# KiCad board Boston-keyboard-V081JHA.kicad_pcb (continued)
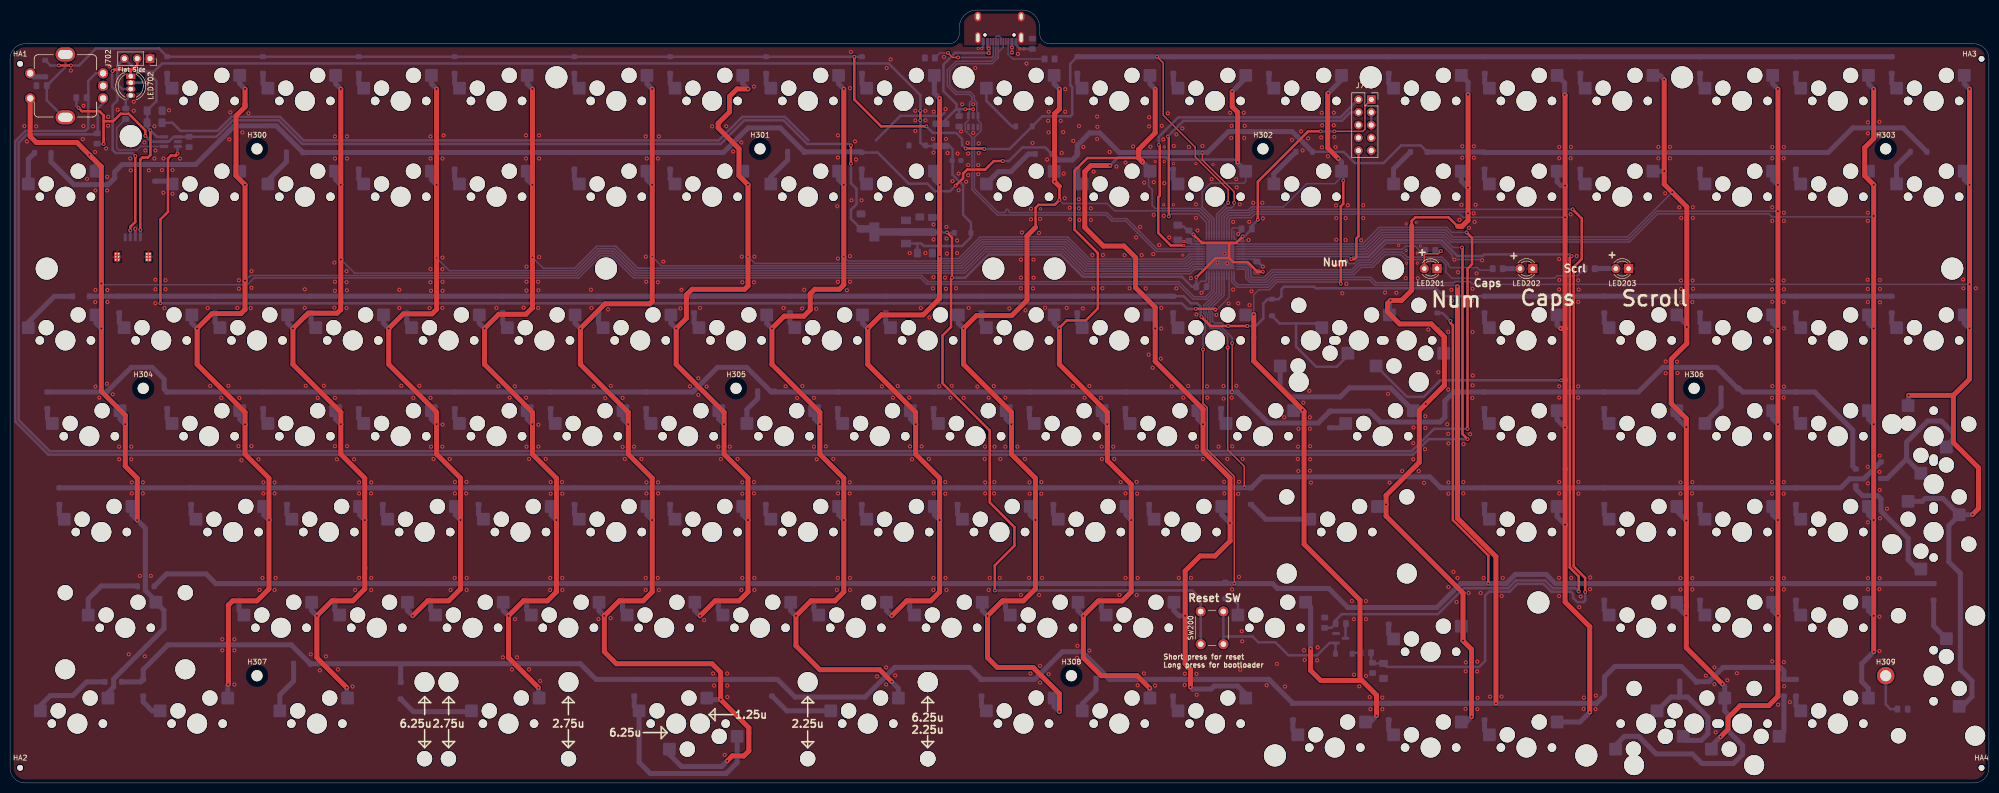
[diagram p0: board, top side]
## Footprints (pads in the part's own frame, mm; a bottom-side part is the same pattern mirrored in y, then rotated) (continued)
  round 3.988 hole 3.988 unplated: (-11.938,8.255) (0,0) (11.938,8.255)
  round 1.702 hole 1.702 unplated: (-5.08,0) (5.08,0)
  rrect 2.54x2.54 smd: 1(-6.096,5.08) 2(7.366,2.54)
MX275HR
  round 3.048 hole 3.048 unplated: (-11.938,-6.985) (-2.54,5.08) (3.81,2.54) (11.938,-6.985)
  round 3.988 hole 3.988 unplated: (-11.938,8.255) (0,0) (11.938,8.255)
  round 1.702 hole 1.702 unplated: (-5.08,0) (5.08,0)
  rrect 2.54x2.54 smd: 1(-6.096,5.08) 2(7.366,2.54)
MX625HR
  round 3.048 hole 3.048 unplated: (-50.038,-6.985) (-2.54,5.08) (3.81,2.54) (50.038,-6.985)
  round 3.988 hole 3.988 unplated: (-50.038,8.255) (0,0) (50.038,8.255)
  round 1.702 hole 1.702 unplated: (-5.08,0) (5.08,0)
  rrect 2.54x2.54 smd: 1(-6.096,5.08) 2(7.366,2.54)
PinSocket_1x03_P2.54mm_Vertical
  rect 1.7x1.7 hole 1: 1(0,0)
  oval 1.7x1.7 hole 1: 2(0,-2.54) 3(0,-5.08)
PinSocket_2x05_P2.54mm_Vertical
  rect 1.7x1.7 hole 1: 1(0,0)
  oval 1.7x1.7 hole 1: 2(-2.54,0) 3(0,-2.54) 4(-2.54,-2.54) 5(0,-5.08) 6(-2.54,-5.08) 7(0,-7.62) 8(-2.54,-7.62) 9(0,-10.16) 10(-2.54,-10.16)
QFN-48-1EP_7x7mm_P0.5mm_EP5.6x5.6mm
  rrect 1.13x1.13 smd: (-2.1,-2.1) (-2.1,-0.7) (-2.1,0.7) (-2.1,2.1) (-0.7,-2.1) (-0.7,-0.7) (-0.7,0.7) (-0.7,2.1) (0.7,-2.1) (0.7,-0.7) (0.7,0.7) (0.7,2.1) (2.1,-2.1) (2.1,-0.7) (2.1,0.7) (2.1,2.1)
  rrect 0.875x0.25 smd: 1(-3.438,2.75) 2(-3.438,2.25) 3(-3.438,1.75) 4(-3.438,1.25) 5(-3.438,0.75) 6(-3.438,0.25) 7(-3.438,-0.25) 8(-3.438,-0.75) 9(-3.438,-1.25) 10(-3.438,-1.75) 11(-3.438,-2.25) 12(-3.438,-2.75) 25(3.438,-2.75) 26(3.438,-2.25) 27(3.438,-1.75) 28(3.438,-1.25) 29(3.438,-0.75) 30(3.438,-0.25) 31(3.438,0.25) 32(3.438,0.75) 33(3.438,1.25) 34(3.438,1.75) 35(3.438,2.25) 36(3.438,2.75)
  rrect 0.25x0.875 smd: 13(-2.75,-3.438) 14(-2.25,-3.438) 15(-1.75,-3.438) 16(-1.25,-3.438) 17(-0.75,-3.438) 18(-0.25,-3.438) 19(0.25,-3.438) 20(0.75,-3.438) 21(1.25,-3.438) 22(1.75,-3.438) 23(2.25,-3.438) 24(2.75,-3.438) 37(2.75,3.438) 38(2.25,3.438) 39(1.75,3.438) 40(1.25,3.438) 41(0.75,3.438) 42(0.25,3.438) 43(-0.25,3.438) 44(-0.75,3.438) 45(-1.25,3.438) 46(-1.75,3.438) 47(-2.25,3.438) 48(-2.75,3.438)
  rect 5.6x5.6 smd: 49(0,0)
R_0603_1608Metric_Pad1.05x0.95mm_HandSolder
  rrect 1.05x0.95 smd: 1(-0.875,0) 2(0.875,0)
R_0805_2012Metric_Pad1.15x1.40mm_HandSolder
  rrect 1.15x1.4 smd: 1(-1.025,0) 2(1.025,0)
R_0805_2012Metric_Pad1.20x1.40mm_HandSolder
  rrect 1.2x1.4 smd: 1(-1,0) 2(1,0)
SM04B-SRSS-TB(LF)(SN)_mounting-reliefs
  rect 0.6x1.55 smd: 1(-1.5,0.775) 2(-0.5,0.775) 3(0.5,0.775) 4(1.5,0.775)
  round 0.5 hole 0.3: MP(-3.4,-3.7) MP(-3.4,-3.1) MP(-3.4,-2.5) MP(-2.8,-3.7) MP(-2.8,-3.1) MP(-2.8,-2.5) MP(2.8,-3.7) MP(2.8,-3.1) MP(2.8,-2.5) MP(3.4,-3.7) MP(3.4,-3.1) MP(3.4,-2.5)
  rect 1.2x1.8 smd far side: MP(-3.1,-3.1) MP(3.1,-3.1)
  rect 1.2x1.8 smd: MP(-3.1,-3.1) MP(3.1,-3.1)
SOT-23
  rrect 1.475x0.6 smd: 1(-0.938,0.95) 2(-0.938,-0.95) 3(0.938,0)
SOT-23-6
  rrect 1.325x0.6 smd: 1(-1.137,0.95) 2(-1.137,0) 3(-1.137,-0.95) 4(1.137,-0.95) 5(1.137,0) 6(1.137,0.95)
SOT-23-6_Handsoldering
  rect 1.56x0.65 smd: 1(-1.35,0.95) 2(-1.35,0) 3(-1.35,-0.95) 4(1.35,-0.95) 5(1.35,0) 6(1.35,0.95)
SOT-223-3_TabPin2
  rect 2x1.5 smd: 1(-3.15,2.3) 2(-3.15,0) 3(-3.15,-2.3)
  rect 2x3.8 smd: 2(3.15,0)
SW_PUSH_6mm_H5mm
  round 2 hole 1.1: 1(0,0) 1(6.5,0) 2(0,-4.5) 2(6.5,-4.5)
ToolingHole_1.152mm_(for_JLCPCB_SMT)
  round 1.152 hole 1.152 unplated: (0,0)
TYPE-C-31-M-12
  round 0.65 hole 0.65 unplated: (-2.89,-2.051) (2.89,-2.051)
  rrect 0.6x1.45 smd: A1(-3.25,-0.725) A4(-2.45,-0.725) B1(3.25,-0.725) B4(2.45,-0.725)
  rrect 0.3x1.45 smd: A5(-1.25,-0.725) A6(-0.254,-0.725) A7(0.25,-0.725) A8(1.25,-0.725) B5(1.75,-0.725) B6(0.75,-0.725) B7(-0.75,-0.725) B8(-1.75,-0.725)
  oval 1.3x1.9 hole 0.6x1.2: S(-4.3,-5.7) S(4.3,-5.7)
  oval 1.1x2.2 hole 0.6x1.7: S(-4.3,-1.5) S(4.3,-1.5)

## Nets
+3V3: C703.1 C705.1 C706.1 C707.1 C708.1 C709.1 C710.1 C711.1 C712.1 D702.2 J706.1 R708.2 R709.2 SW200.1 U701.1 U701.9 U701.24 U701.36 U701.48 U702.2 U705.1 U705.5 UA701.1 UA701.9 UA701.24 UA701.36 UA701.48
+5V: C701.1 C704.1 C713.1 D701.1 D702.1 F701.1 J701.1 J702.3 LED702.3 R701.2 U702.3 U705.6
GND: C701.2 C702.2 C703.2 C704.2 C705.2 C706.2 C707.2 C708.2 C709.2 C710.2 C711.2 C712.2 C713.2 C714.2 C715.2 D701.2 J701.2 J701.4 J701.MP J702.1 J703.A1 J703.B1 J706.3 J706.5 J706.9 L1.2 L301.2 L701.2 LED201.1 LED202.1 LED203.1 LED702.2 Q701.2 R701.1 R702.1 R704.1 R705.1 SW126.C U701.8 U701.23 U701.35 U701.47 U702.1 U703.2 U705.2 UA701.8 UA701.23 UA701.35 UA701.47 UA701.49
VBUS: C714.1 F701.2 J703.A4 J703.B4 U703.5
BOOT0: C715.1 R702.2 R711.1 U701.44 UA701.44
CAP_INDICATOR: LED202.2 R201.1
Col1: SW1.1 SW2.1 SW3.1 SW4.1 SW5.1 SW6.1 SW126.S2 U701.21 UA701.21
Col2: SW7.1 SW8.1 SW9.1 SW10.1 SW11.1 SW13.1 U701.22 UA701.22
Col3: SW14.1 SW15.1 SW16.1 SW17.1 SW18.1 SW19.1 SW20.1 U701.25 UA701.25
Col4: SW21.1 SW22.1 SW23.1 SW24.1 SW25.1 SW26.1 U701.26 UA701.26
Col5: SW27.1 SW28.1 SW29.1 SW30.1 SW31.1 SW32.1 SW128.1 U701.27 UA701.27
Col6: SW33.1 SW34.1 SW35.1 SW36.1 SW37.1 SW38.1 SW39-1.1 SW39-2.1 U701.28 UA701.28
Col7: SW40.1 SW41.1 SW42.1 SW43.1 SW44.1 SW45.1 U701.29 UA701.29
Col8: SW46.1 SW47.1 SW48.1 SW49.1 SW50.1 SW51.1 SW129.1 U701.30 UA701.30
Col9: SW52.1 SW53.1 SW54.1 SW55.1 SW56.1 SW57.1 U701.31 UA701.31
Col10: SW58.1 SW59.1 SW60.1 SW61.1 SW62.1 SW63.1 SW64.1 U701.38 UA701.38
Col11: SW65.1 SW66.1 SW67.1 SW68.1 SW69.1 SW70.1 SW71.1 U701.39 UA701.39
Col12: SW72.1 SW73.1 SW74.1 SW75.1 SW76.1 SW77.1 SW78.1 U701.40 UA701.40
Col13: SW79.1 SW80.1 SW81.1 SW82.1 SW84.1 SW85.1 U701.43 UA701.43
Col14: SW86.1 SW87.1 SW88-1.1 SW88-2.1 SW89.1 SW90.1 SW91.1 SW92.1 U701.45 UA701.45
Col15: SW93.1 SW94.1 SW95.1 SW96.1 SW97.1 SW98.1 SW127.1 U701.46 UA701.46
Col16: SW99.1 SW100.1 SW101.1 SW102.1 SW103.1 SW104.1 SW105-1.1 SW105-2.1 U701.3 UA701.3
Col17: SW106.1 SW107.1 SW108.1 SW109.1 SW110.1 SW111.1 SW112.1 U701.4 UA701.4
Col18: SW113.1 SW114.1 SW115.1 SW116.1 SW117.1 SW118.1 SW119.1 U701.5 UA701.5
Col19: SW120.1 SW121.1 SW122.1 SW123.1 SW124-1.1 SW124-2.1 SW125.1 U701.13 UA701.13
D+: J703.A6 J703.B6 U701.33 U703.6 UA701.33
D-: J703.A7 J703.B7 U701.32 U703.4 UA701.32
DI: LED702.4 R710.1
EncA: R709.1 SW126.B U701.2 UA701.2
EncB: R708.1 SW126.A U701.6 UA701.6
NRST: C702.1 J706.10 R703.1 U701.7 UA701.7
NUM_INDICATOR: LED201.2 R202.1
Plate-ground: J703.S L701.1
RGBLED: U701.15 U705.3 UA701.15
Row1: D7.1 D14.1 D21.1 D27.1 D33.1 D40.1 D46.1 D52.1 D58.1 D65.1 D72.1 D79.1 D86.1 D93.1 D99.1 D106.1 D113.1 D120.1 D126.1 U701.41 UA701.41
Row2: D1.1 D8.1 D15.1 D22.1 D28.1 D34.1 D41.1 D47.1 D53.1 D59.1 D66.1 D73.1 D80.1 D87.1 D94.1 D100.1 D107.1 D114.1 D121.1 U701.42 UA701.42
Row3: D2.1 D9.1 D16.1 D23.1 D29.1 D35.1 D42.1 D48.1 D54.1 D60.1 D67.1 D74.1 D81.1 D88.1 D95.1 D101.1 D108.1 D115.1 D122.1 U701.17 UA701.17
Row4: D3.1 D10.1 D17.1 D24.1 D30.1 D36.1 D43.1 D49.1 D55.1 D61.1 D68.1 D75.1 D82.1 D89.1 D96.1 D102.1 D109.1 D116.1 D123.1 U701.18 UA701.18
Row5: D4.1 D11.1 D18.1 D25.1 D31.1 D37.1 D44.1 D50.1 D56.1 D62.1 D69.1 D76.1 D90.1 D97.1 D103.1 D110.1 D117.1 D124.1 U701.19 UA701.19
Row6: D5.1 D19.1 D26.1 D32.1 D38.1 D45.1 D51.1 D57.1 D63.1 D70.1 D77.1 D84.1 D91.1 D104.1 D111.1 D118.1 D125.1 D127.1 U701.20 UA701.20
Row7: D6.1 D13.1 D20.1 D39.1 D64.1 D71.1 D78.1 D85.1 D92.1 D98.1 D105.1 D112.1 D119.1 D128.1 D129.1 U701.14 UA701.14
SCRL_INDICATOR: LED203.2 R200.1
SWCLK: J706.4 U701.37 UA701.37
SWDIO: J706.2 U701.34 UA701.34
Net-(D1-Pad2): D1.2 SW1.2
Net-(D2-Pad2): D2.2 SW2.2
Net-(D3-Pad2): D3.2 SW3.2
Net-(D4-Pad2): D4.2 SW4.2
Net-(D5-Pad2): D5.2 SW5.2
Net-(D6-Pad2): D6.2 SW6.2
Net-(D7-Pad2): D7.2 SW7.2
Net-(D8-Pad2): D8.2 SW8.2
Net-(D9-Pad2): D9.2 SW9.2
Net-(D10-Pad2): D10.2 SW10.2
Net-(D11-Pad2): D11.2 SW11.2
Net-(D13-Pad2): D13.2 SW13.2
Net-(D14-Pad2): D14.2 SW14.2
Net-(D15-Pad2): D15.2 SW15.2
Net-(D16-Pad2): D16.2 SW16.2
Net-(D17-Pad2): D17.2 SW17.2
Net-(D18-Pad2): D18.2 SW18.2
Net-(D19-Pad2): D19.2 SW19.2
Net-(D20-Pad2): D20.2 SW20.2
Net-(D21-Pad2): D21.2 SW21.2
Net-(D22-Pad2): D22.2 SW22.2
Net-(D23-Pad2): D23.2 SW23.2
Net-(D24-Pad2): D24.2 SW24.2
Net-(D25-Pad2): D25.2 SW25.2
Net-(D26-Pad2): D26.2 SW26.2
Net-(D27-Pad2): D27.2 SW27.2
Net-(D28-Pad2): D28.2 SW28.2
Net-(D29-Pad2): D29.2 SW29.2
Net-(D30-Pad2): D30.2 SW30.2
Net-(D31-Pad2): D31.2 SW31.2
Net-(D32-Pad2): D32.2 SW32.2
Net-(D33-Pad2): D33.2 SW33.2
Net-(D34-Pad2): D34.2 SW34.2
Net-(D35-Pad2): D35.2 SW35.2
Net-(D36-Pad2): D36.2 SW36.2
Net-(D37-Pad2): D37.2 SW37.2
Net-(D38-Pad2): D38.2 SW38.2
Net-(D39-Pad2): D39.2 SW39-1.2 SW39-2.2
Net-(D40-Pad2): D40.2 SW40.2
Net-(D41-Pad2): D41.2 SW41.2
Net-(D42-Pad2): D42.2 SW42.2
Net-(D43-Pad2): D43.2 SW43.2
Net-(D44-Pad2): D44.2 SW44.2
Net-(D45-Pad2): D45.2 SW45.2
Net-(D46-Pad2): D46.2 SW46.2
Net-(D47-Pad2): D47.2 SW47.2
Net-(D48-Pad2): D48.2 SW48.2
Net-(D49-Pad2): D49.2 SW49.2
Net-(D50-Pad2): D50.2 SW50.2
Net-(D51-Pad2): D51.2 SW51.2
Net-(D52-Pad2): D52.2 SW52.2
Net-(D53-Pad2): D53.2 SW53.2
Net-(D54-Pad2): D54.2 SW54.2
Net-(D55-Pad2): D55.2 SW55.2
Net-(D56-Pad2): D56.2 SW56.2
Net-(D57-Pad2): D57.2 SW57.2
Net-(D58-Pad2): D58.2 SW58.2
Net-(D59-Pad2): D59.2 SW59.2
Net-(D60-Pad2): D60.2 SW60.2
Net-(D61-Pad2): D61.2 SW61.2
Net-(D62-Pad2): D62.2 SW62.2
Net-(D63-Pad2): D63.2 SW63.2
Net-(D64-Pad2): D64.2 SW64.2
Net-(D65-Pad2): D65.2 SW65.2
Net-(D66-Pad2): D66.2 SW66.2
Net-(D67-Pad2): D67.2 SW67.2
Net-(D68-Pad2): D68.2 SW68.2
Net-(D69-Pad2): D69.2 SW69.2
Net-(D70-Pad2): D70.2 SW70.2
Net-(D71-Pad2): D71.2 SW71.2
Net-(D72-Pad2): D72.2 SW72.2
Net-(D73-Pad2): D73.2 SW73.2
Net-(D74-Pad2): D74.2 SW74.2
Net-(D75-Pad2): D75.2 SW75.2
Net-(D76-Pad2): D76.2 SW76.2
Net-(D77-Pad2): D77.2 SW77.2
Net-(D78-Pad2): D78.2 SW78.2
Net-(D79-Pad2): D79.2 SW79.2
Net-(D80-Pad2): D80.2 SW80.2
Net-(D81-Pad2): D81.2 SW81.2
Net-(D82-Pad2): D82.2 SW82.2
Net-(D84-Pad2): D84.2 SW84.2
Net-(D85-Pad2): D85.2 SW85.2
Net-(D86-Pad2): D86.2 SW86.2
Net-(D87-Pad2): D87.2 SW87.2
Net-(D88-Pad2): D88.2 SW88-1.2 SW88-2.2
Net-(D89-Pad2): D89.2 SW89.2
Net-(D90-Pad2): D90.2 SW90.2
Net-(D91-Pad2): D91.2 SW91.2
Net-(D92-Pad2): D92.2 SW92.2
Net-(D93-Pad2): D93.2 SW93.2
Net-(D94-Pad2): D94.2 SW94.2
Net-(D95-Pad2): D95.2 SW95.2
Net-(D96-Pad2): D96.2 SW96.2
Net-(D97-Pad2): D97.2 SW97.2
Net-(D98-Pad2): D98.2 SW98.2
Net-(D99-Pad2): D99.2 SW99.2
Net-(D100-Pad2): D100.2 SW100.2
Net-(D101-Pad2): D101.2 SW101.2
Net-(D102-Pad2): D102.2 SW102.2
Net-(D103-Pad2): D103.2 SW103.2
Net-(D104-Pad2): D104.2 SW104.2
Net-(D105-Pad2): D105.2 SW105-1.2 SW105-2.2
Net-(D106-Pad2): D106.2 SW106.2
Net-(D107-Pad2): D107.2 SW107.2
Net-(D108-Pad2): D108.2 SW108.2
Net-(D109-Pad2): D109.2 SW109.2
Net-(D110-Pad2): D110.2 SW110.2
Net-(D111-Pad2): D111.2 SW111.2
Net-(D112-Pad2): D112.2 SW112.2
Net-(D113-Pad2): D113.2 SW113.2
Net-(D114-Pad2): D114.2 SW114.2
Net-(D115-Pad2): D115.2 SW115.2
Net-(D116-Pad2): D116.2 SW116.2
Net-(D117-Pad2): D117.2 SW117.2
Net-(D118-Pad2): D118.2 SW118.2
Net-(D119-Pad2): D119.2 SW119.2
Net-(D120-Pad2): D120.2 SW120.2
Net-(D121-Pad2): D121.2 SW121.2
Net-(D122-Pad2): D122.2 SW122.2
Net-(D123-Pad2): D123.2 SW123.2
Net-(D124-Pad2): D124.2 SW124-1.2 SW124-2.2
Net-(D125-Pad2): D125.2 SW125.2
Net-(D126-Pad2): D126.2 SW126.S1
Net-(D127-Pad2): D127.2 SW127.2
Net-(D128-Pad2): D128.2 SW128.2
Net-(D129-Pad2): D129.2 SW129.2
Net-(D703-Pad1): D703.1 R711.2
Net-(D703-Pad2): D703.2 Q701.1 SW200.2
Net-(J701-Pad3): J701.3 J702.2 LED702.1
Net-(J703-PadA5): J703.A5 R704.2
Net-(J703-PadB5): J703.B5 R705.2
Net-(L1-Pad1): L1.1 SW126.S
Net-(L301-Pad1): H309.1 L301.1
Net-(Q701-Pad3): Q701.3 R703.2
Net-(R200-Pad2): R200.2 U701.12 UA701.12
Net-(R201-Pad2): R201.2 U701.11 UA701.11
Net-(R202-Pad2): R202.2 U701.10 UA701.10
Net-(R710-Pad2): R710.2 U705.4
Net-(U701-Pad16): U701.16 UA701.16

Pads without a net: J703 A8 B8; J706 6 7 8; U703 1 3

## Via types
v1: diameter 0.8, hole 0.4, Top to Bottom, 1028 vias
v2: diameter 0.6, hole 0.3, Top to Bottom, 31 vias

## Routing (per net, layer and track width the routed paths; a pad name or vN(x,y) marks a point on that pad's centre or on a via; arc(x,y) is an arc through that point)
+3V3: length 490.2
  Top w0.3: J706.1 269.4,134.66 269.4,129.97 269,129.57 v1(263.3,129.57)
  Top w0.5: 18.6,131.57 18.6,132.78 17.8,133.57 14.3,133.57 v1(13.6,134.28) ; 18.6,131.57 20.5,131.57 22,133.07 23.6,133.07 26.9,129.78 v1(26.9,128.68) ; 18.6,131.57 v1(18.6,127.08) ; v1(195.8,38.28) 195.8,43.28 199.7,47.17 199.7,50.88 194.8,55.78 194.8,70.08 185.4,79.47 185.4,88.97 187.1,90.67 187.1,100.28 v1(187.3,100.47) 187.3,108.47 v1(186.3,109.47) ; v1(248.1,111.97) 248.1,119.58 258.1,129.57 v1(260.6,129.57) ; 242.4,104.38 243.2,103.58 246.1,103.58 248,101.67 v1(249.1,101.67) ; 242.4,104.38 242.4,107.17 242.6,107.38 ; 242.4,104.38 239.7,104.38 v1(235.9,100.58) ; 242.6,107.38 237,107.38 v1(235.3,109.08) ; 242.6,107.38 243.8,107.38 v1(245.1,108.67) ; v1(167.2,123.17) v1(167.2,126.78)
  Bottom w0.3: 245.64,103.66 245.62,103.68 U701.9 246.09,103.68 247.8,101.97 247.8,101.85 ; U701.24 237.9,99.98 237.7,99.78 236.8,99.78 236.18,99.15 236.18,98.67 ; U701.36 235.69,107.68 235.55,107.83 235.55,108.42 234.38,109.6 ; UA701.48 UA701.1
  Bottom w0.5: v1(263.3,129.57) v1(260.6,129.57) ; v1(18.6,127.08) 17.35,127.08 R709.2 ; v1(26.9,128.68) 28.05,127.53 U705.5 31.55,127.53 32.5,128.48 U705.1 35.58,128.48 C712.1 41.03,128.5 44.3,131.78 53.4,131.78 58.1,127.08 141.3,127.08 146,131.78 153.8,131.78 158.5,127.08 167,127.08 167.2,126.88 v1(167.2,126.78) ; 244.89,107.76 245.1,107.97 v1(245.1,108.67) 245.41,108.67 C709.1 246.92,110.79 v1(248.1,111.97) ; R708.2 13.2,136.25 13.2,134.68 v1(13.6,134.28) ; v1(167.2,123.17) 167.2,119.28 168.3,118.17 168.3,115.08 167.2,113.97 167.2,112.19 C706.1 ; SW200.1 SW200.1 236.75,36.6 235.07,38.28 v1(195.8,38.28) ; D702.2 186.4,109.38 v1(186.3,109.47) 183.41,109.47 C703.1 ; v1(187.3,100.47) 189.9,100.47 194.5,105.08 208.9,105.08 213.3,100.67 233,100.67 235,98.67 C707.1 235.88,100.55 v1(235.9,100.58) ; C708.1 249.07,101.65 v1(249.1,101.67) ; 234.4,109.6 233.35,110.65 232.2,110.65 ; 234.51,109.86 v1(235.3,109.08)
  Bottom w1.5: C703.1 183.31,109.58 U702.2 U702.2 171.24,110.19 C706.1
+5V: length 260.4
  Top w0.5: v1(27.9,129.78) 27.9,124.88 27.4,124.38 26.3,124.38 25.9,123.97 v1(25.9,109.97) ; v1(181,133.68) v1(181,131.78)
  Bottom w0.5: U702.3 180.3,107.28 ; 180.3,107.28 181.2,107.28 181.7,106.78 189.3,106.78 191.05,108.53 D702.1 191.05,111.42 189.5,112.97 189.5,118.88 187.4,120.97 187.4,126.05 186.78,126.67 ; 180.3,107.28 180.41,107.16 C701.1 ; v1(25.9,109.97) J701.1 ; F701.1 182.18,126.65 D701.1 181.6,126.78 181,127.38 v1(181,131.78) ; 27.2,141.47 28.6,141.47 30.2,143.07 174.7,143.07 181,136.78 v1(181,133.68) ; 27.2,141.47 29.1,139.57 29.1,135.57 27.26,133.74 C704.1 27.26,131.3 C713.1 27.24,130.44 v1(27.9,129.78) 29.2,128.48 U705.6 ; 27.2,141.47 25.32,141.47 J702.3 21.33,142.64 21.33,138.94 22.28,137.99 LED702.3
GND: length 213.7
  Bottom w0.3: U701.35 234.77,107.18 234.4,107.55 ; v1(292.7,103.95) 292.57,104.08 v1(287.2,104.08) 286.74,104.53 286.74,105.02 284.4,107.36 273.62,107.36 270.24,103.97 268,103.97 267.3,103.28 266.2,103.28 v1(265.7,103.78) ; C709.2 244.67,110.38 243.19,110.38 242.9,110.09 U701.47 ; 247.8,103.9 247.52,104.18 U701.8 ; U701.23 238.4,99.58 237.93,99.1 C707.2 237.93,98.5 v1(236.9,97.47) ; 238.4,98.85 238.23,98.67
  Bottom w0.5: 234.4,107.55 234.27,107.67 v2(233.4,107.67) 232.2,107.67 ; J706.5 J706.3 ; v1(249.1,102.67) 248.07,103.7 C708.2 ; C713.2 32.3,131.28 33.89,129.68 41.24,129.68 44.04,132.47 53.66,132.47 58.36,127.78 140.9,127.78 145.58,132.45 154.08,132.45 158.76,127.78 ; 185.8,133.28 185.2,132.68 177.04,132.68 172.14,127.78 ; L701.2 v2(201.6,145.97) v2(200.8,145.97) 199.99,146.79 J703.B1 ; v1(244.2,109.17) 244.87,109.84 C709.2 ; v1(27.2,139.28) 27.19,139.26 LED702.2 ; v2(193.2,146.07) 193.49,146.36 J703.A1 ; J701.2 v1(24.9,110.17)
  vias: v1(2.85,130.62) v1(3.35,127.58) v1(5.2,130.57) v1(12.1,141.68) v1(14.45,128.03) v1(14.6,134.68) v1(14.6,130.62) v1(15.3,120.12) v1(16.5,130.57) v1(16.9,125.47) v1(17,117.83) v1(17,98.03) v1(16.95,95.62) v1(17,78.83) v1(17.75,76.62) v1(19.1,126.17) v1(19.25,79.38) v1(19.3,120.53) v1(19.3,117.83) v1(19.35,98.03) v1(19.35,95.62) v1(19.5,132.47) v1(19.5,130.68) v1(19.9,142.47) v1(20.4,77.28) v1(21.4,133.88) v1(21.7,66.88) v1(21.7,64.38) v1(23.6,25.57) v1(23.9,124.17) v1(24,121.83) v1(24.1,66.88) v1(24.1,64.38) v1(24.2,59.78) v1(24.2,57.58) v1(24.6,135.47) v1(24.6,133.68) v1(25.8,41.18) v1(26.4,59.78) v1(26.4,57.58) v1(26.7,127.38) v1(26.8,25.18) v1(26.9,125.78) v1(27.6,121.83) v1(28,41.18) v1(28.7,130.57) v1(28.7,124.17) v1(28.9,125.78) v1(28.9,100.08) v1(28.9,98.17) v1(28.9,95.38) v1(30.2,121.88) v1(30.5,124.17) v1(30.5,117.38) v1(30.7,94.42) v1(30.9,99.97) v1(30.9,98.17) v1(31.6,133.78) v1(32.3,121.88) v1(32.3,117.17) v1(33.8,124.17) v1(39.3,94.47) v1(39.8,78.97) v1(42,76.58) v1(42.2,28.57) v1(42.2,26.38) v1(43.4,78.97) v1(43.6,127.97) v1(43.8,133.38) v1(44.6,28.57) v1(44.6,26.38) v1(44.6,19.57) v1(45.2,94.47) v1(45.4,66.97) v1(45.5,99.97) v1(45.5,98.28) v1(45.6,76.58) v1(46,64.17) v1(46.2,129.38) v1(47.4,133.18) v1(47.85,94.42) v1(48,101.78) v1(48,98.47) v1(48,66.97) v1(49.4,64.38) v1(49.6,38.38) v1(50.2,40.78) v1(50.4,59.78) v1(50.4,57.58) v1(52.6,59.78) v1(52.6,57.58) v1(52.6,38.38) v1(52.8,40.78) v1(58.6,98.17) v1(58.6,94.47) v1(58.8,78.97) v1(59.8,25.57) v1(61.2,76.58) v1(61.6,22.38) v1(62.4,78.97) v1(62.8,25.18) v1(64.5,103.47) v1(64.5,94.53) v1(64.6,128.57) v1(64.6,124.17) v1(64.6,99.67) v1(64.6,97.88) v1(64.6,76.58) v1(64.6,66.97) v1(65,64.38) v1(65.2,22.57) v1(66.9,101.78) v1(66.9,99.58) v1(66.9,94.42) v1(67,128.57) v1(67,124.17) v1(66.95,97.97) v1(67,66.97) v1(68.1,19.18) v1(68.4,64.38) v1(68.6,38.38) v1(69.4,59.78) v1(69.4,57.58) v1(69.4,40.78) v1(71.8,59.78) v1(71.8,57.58) v1(71.8,40.78) v1(71.8,38.38) v1(77.4,98.08) v1(77.4,94.47) v1(77.8,78.97) v1(80.2,76.58) v1(81.4,78.97) v1(83.4,94.42) v1(83.6,128.57) v1(83.6,124.17) v1(83.6,102.17) v1(83.6,99.58) v1(83.6,76.58) v1(83.7,97.88) v1(83.7,66.88) v1(84.2,64.42) v1(85.95,102.17) v1(85.95,94.47) v1(85.95,66.88) v1(86,124.17) v1(86,104.47) v1(86,99.67) v1(86,97.88) v1(86,71.28) v1(86.2,128.78) v1(87.4,64.42) v1(87.6,38.38) v1(88.45,59.83) v1(88.45,57.58) v1(88.4,40.78) v1(90.7,57.58) v1(90.75,59.88) v1(90.8,40.78) v1(90.8,38.38) v1(96.7,94.47) v1(97.1,78.88) v1(98,24.97) v1(99.35,76.62) v1(99.8,22.57) v1(100.35,78.88) v1(100.4,32.57) v1(100.8,24.97) v1(102.1,94.53) v1(102.6,128.78) v1(102.6,124.17) v1(102.6,76.62) v1(102.7,102.67) v1(102.7,99.67) v1(102.7,97.92) v1(102.7,66.88) v1(103.2,64.42) v1(103.2,22.57) v1(105,99.67) v1(105,94.47) v1(105.05,97.97) v1(105.05,71.22) v1(105.05,66.88) v1(105.2,128.78) v1(105.2,124.17) v1(105.2,104.58) v1(105.4,20.28) v1(106.5,64.42) v1(107.4,40.78) v1(107.4,38.38) v1(107.5,59.83) v1(107.5,57.53) v1(109.75,59.83) v1(109.8,57.53) v1(109.8,40.78) v1(109.8,38.38) v1(115.5,98.08) v1(115.6,94.47) v1(116.05,78.88) v1(117,32.57) v1(118.35,76.53) v1(118.9,94.17) v1(119.45,78.97) v1(119.4,32.78) v1(121.8,76.58) v1(121.8,66.83) v1(122.25,64.42) v1(124.05,66.88) v1(125.55,64.42) v1(126.4,128.57) v1(126.4,104.67) v1(126.4,40.78) v1(126.4,38.38) v1(126.5,99.67) v1(126.6,124.17) v1(126.55,59.78) v1(126.55,57.58) v1(128.8,124.17) v1(128.8,99.58) v1(128.85,59.78) v1(128.85,57.58) v1(128.8,40.78) v1(129,128.57) v1(129,38.38) v1(129.9,103.67) v1(133.3,94.38) v1(133.5,98.08) v1(135.2,78.88) v1(136.85,80.47) v1(136.85,77.17) v1(137.2,94.47) v1(138,32.38) v1(138.5,78.83) v1(139.6,130.57) v1(139.8,21.78) v1(140,19.38) v1(140.85,66.88) v1(141.35,64.42) v1(142.1,5.57) v1(142.4,130.57) v1(142.6,21.78) v1(142.6,19.38) v1(142.6,17.07) v1(143.1,66.88) v1(143.8,125.58) v1(144.65,64.42) v1(145.4,127.38) v1(145.4,38.38) v1(145.5,104.67) v1(145.6,99.58) v1(145.6,59.78) v1(145.6,57.53) v1(145.6,40.78) v1(147.9,138.47) v1(147.9,99.58) v1(147.9,59.83) v1(147.9,57.58) v1(148,104.67) v1(148,40.78) v1(148,38.38) v1(153.8,94.47) v1(154.2,78.88) v1(156.5,76.58) v1(157.5,94.38) v1(157.55,78.92) v1(157.9,98.08) v1(159.85,76.58) v1(159.85,66.88) v1(160.3,94.28) v1(160.4,64.38) v1(162.2,66.92) v1(163.7,64.42) v1(164.4,38.38) v1(164.5,114.67) v1(164.6,128.78) v1(164.6,124.38) v1(164.6,104.28) v1(164.6,99.67) v1(164.6,40.78) v1(164.65,59.78) v1(164.65,57.58) v1(166.4,97.97) v1(166.95,59.78) v1(166.95,57.58) v1(167,138.18) v1(167,104.78) v1(167,99.67) v1(167,40.78) v1(167,38.38) v1(167.2,145.38) v1(167.3,115.88) v1(168,127.58) v1(168.2,123.97) v1(169.3,115.88) v1(172.4,21.18) v1(173.35,78.88) v1(174.2,22.97) v1(174.2,19.57) v1(174.3,142.18) v1(175.1,143.88) v1(175.55,76.62) v1(176,21.38) v1(176.5,78.92) v1(178.8,76.62) v1(178.9,105.38) v1(178.95,66.92) v1(179.35,64.38) v1(180,133.68) v1(180,131.78) v1(180,129.68) v1(181.1,94.47) v1(181.25,66.92) v1(182,133.68) v1(182,131.78) v1(182,105.38) v1(182.7,64.42) v1(182.8,92.58) v1(183.5,128.07) v1(183.5,98.38) v1(183.6,125.38) v1(183.6,111.08) v1(183.6,108.08) v1(183.6,100.58) v1(183.6,40.78) v1(183.6,38.38) v1(183.65,133.47) v1(183.65,59.83) v1(183.65,57.58) v1(184.75,78.88) v1(185.7,144.38) v1(185.9,100.47) v1(185.95,59.83) v1(185.95,57.53) v1(186,134.03) v1(186,40.78) v1(186.1,128.07) v1(186.1,98.28) v1(186.2,110.58) v1(186.2,108.28) v1(186.2,38.38) v1(186.3,105.28) v1(186.4,125.28) v1(187,76.62) v1(187.25,78.97) v1(187.4,119.67) v1(188.1,98.38) v1(188.3,107.88) v1(188.3,105.38) v1(188.4,125.17) v1(188.6,121.17) v1(188.6,117.88) v1(189.1,129.57) v1(189.3,134.97) v1(189.6,76.58) v1(190.1,119.58) v1(190.4,127.28) v1(190.5,125.17) v1(190.5,122.88) v1(190.5,120.88) v1(190.6,94.47) v1(191.5,134.97) v1(191.5,129.28) v1(191.9,142.18) v1(192.35,78.83) v1(192.5,122.88) v1(192.5,121.08) v1(192.6,127.17) v1(192.6,125.28) v1(193.85,66.88) v1(193.8,64.42) v1(193.9,59.78) v1(193.9,57.58) v1(194.6,76.62) v1(194.6,38.38) v1(194.8,40.78) v1(195.6,78.92) v1(195.7,59.83) v1(195.65,57.58) v1(195.75,66.88) v1(196.8,40.78) v1(196.9,64.42) v1(197.9,76.62) v1(197.9,66.88) v1(198.7,94.38) v1(200.3,66.88) v1(200.4,144.97) v1(201,104.08) v1(201,100.47) v1(201,98.38) v1(201,37.38) v1(201.2,109.47) v1(201.8,64.42) v1(201.9,93.97) v1(202.1,143.07) v1(202.6,40.78) v1(202.7,59.78) v1(202.75,57.53) v1(202.9,21.78) v1(203,114.17) v1(203,112.08) v1(203.3,127.28) v1(203.4,98.38) v1(203.5,104.08) v1(203.5,100.47) v1(204.6,109.38) v1(204.6,37.38) v1(204.8,112.17) v1(204.8,23.28) v1(204.8,19.97) v1(205.05,59.83) v1(205.05,57.53) v1(205.2,40.78) v1(205.8,94.47) v1(206.2,123.97) v1(206.4,131.68) v1(206.5,133.47) v1(206.5,129.38) v1(206.5,21.62) v1(208.9,131.68) v1(209.1,125.28) v1(209.4,129.43) v1(209.5,121.17) v1(209.7,116.28) v1(209.8,137.97) v1(209.8,133.47) v1(210.1,94.47) v1(210.7,114.38) v1(210.8,112.08) v1(211.4,127.67) v1(211.35,78.92) v1(212.15,24.88) v1(212.25,27.28) v1(212.5,116.08) v1(212.5,114.28) v1(212.55,130.62) v1(212.6,111.97) v1(213.3,94.38) v1(213.4,126.47) v1(213.65,76.62) v1(214.6,78.92) v1(214.6,26.32) v1(214.9,114.28) v1(214.9,111.97) v1(215.2,104.97) v1(215.45,121.58) v1(215.4,98.38) v1(216.15,132.53) v1(216.15,128.07) v1(216.2,130.47) v1(216.9,76.58) v1(217.05,66.88) v1(217.1,64.42) v1(217.2,98.38) v1(217.3,104.97) v1(218.65,125.47) v1(219.35,66.88) v1(219.55,64.42) v1(220,122.58) v1(220.6,37.38) v1(220.85,59.83) v1(221.6,104.97) v1(221.8,123.38) v1(221.8,57.58) v1(221.8,40.78) v1(222.6,98.38) v1(223.3,126.58) v1(223.9,108.47) v1(224,59.88) v1(224,37.38) v1(224.1,57.53) v1(224.2,40.78) v1(224.2,19.43) v1(224.7,110.58) v1(225,104.97) v1(225.45,21.78) v1(225.5,119.38) v1(225.8,98.38) v1(226.4,85.17) v1(226.5,132.38) v1(226.5,130.57) v1(226.75,126.53) v1(227.2,82.58) v1(227.3,105.17) v1(227.4,119.47) v1(227.4,112.97) v1(227.65,19.38) v1(228.5,106.97) v1(228.8,84.38) v1(228.9,94.47) v1(228.9,90.38) v1(229,130.68) v1(229.3,127.97) v1(229.4,112.78) v1(229.5,119.28) v1(230.2,133.18) v1(230.5,108.47) v1(231,78.88) v1(231.4,126.67) v1(231.9,128.97) v1(231.9,98.38) v1(232.4,40.78) v1(233.1,130.18) v1(233.3,76.62) v1(233.6,21.72) v1(233.55,19.47) v1(234.25,78.92) v1(234.4,126.47) v1(234.8,100.38) v1(234.8,40.78) v1(234.8,37.38) v1(235.8,115.08) v1(235.8,112.38) v1(235.9,93.17) v1(235.9,21.68) v1(235.95,17.53) v1(236,66.88) v1(236.1,109.88) v1(237.1,126.67) v1(237.2,64.42) v1(238,78.88) v1(238.05,76.62) v1(238.9,120.08) v1(239.85,93.08) v1(240.1,103.47) v1(240.3,66.88) v1(241.3,78.92) v1(241.3,76.42) v1(241.45,105.28) v1(241.4,59.88) v1(241.45,57.58) v1(242,103.38) v1(242.05,64.42) v1(242.3,95.33) v1(242.6,133.28) v1(242.8,128.28) v1(242.9,130.68) v1(242.9,76.62) v1(243,66.92) v1(243,38.47) v1(243.2,111.58) v1(243.2,98.12) v1(243.8,120.08) v1(243.9,118.47) v1(243.85,78.97) v1(244.2,95.38) v1(244.2,57.47) v1(244.35,59.88) v1(244.36,40.97) v1(244.5,115.08) v1(244.6,22.53) v1(244.9,30.18) v1(245,28.18) v1(245.1,64.42) v1(245.3,133.28) v1(245.4,128.28) v1(245.5,130.68) v1(246.25,107.97) v1(246.4,111.58) v1(246.45,95.03) v1(246.85,97.78) v1(247.2,115.38) v1(249,115.38) v1(249.1,112.28) v1(249.85,19.43) v1(251.9,23.68) v1(253.35,72.72) v1(253.5,19.18) v1(254.9,127.88) v1(256.1,66.88) v1(256.05,64.42) v1(256.15,62.03) v1(256.2,70.42) v1(256.7,129.57) v1(257,125.78) v1(257.15,75.62) v1(257.3,26.38) v1(257.4,24.47) v1(258.1,128.18) v1(258.35,77.97) v1(258.45,72.72) v1(258.45,70.42) v1(258.45,62.08) v1(258.5,66.97) v1(258.5,64.38) v1(258.65,59.72) v1(259.9,24.38) v1(260,26.97) v1(260.7,128.38) v1(260.8,133.28) v1(260.9,130.78) v1(260.85,126.42) v1(262.05,124.62) v1(263.2,133.28) v1(263.2,130.78) v1(263.3,128.47) v1(263.55,126.42) v1(263.65,114.88) v1(263.6,102.97) v1(263.7,112.33) v1(263.7,108.03) v1(264.9,97.38) v1(265.55,112.33) v1(265.55,107.97) v1(265.7,99.28) v1(266,114.88) v1(266.8,36.18) v1(267.2,32.57) v1(267.25,21.53) v1(268.3,19.22) v1(268.65,107.92) v1(269.05,114.88) v1(269.05,112.33) v1(269.6,36.18) v1(269.6,32.57) v1(269.6,21.28) v1(270.35,17.07) v1(270.5,14.68) v1(272.85,16.97) v1(272.85,14.68) v1(273.4,97.53) v1(274,77.38) v1(274.3,59.72) v1(275.65,97.47) v1(276.8,62.03) v1(277.5,100.38) v1(279,67.58) v1(279,64.38) v1(279.05,70.67) v1(279.9,100.38) v1(280.1,62.03) v1(281.15,59.67) v1(281.4,72.92) v1(281.4,70.58) v1(281.35,66.38) v1(282,90.17) v1(284,81.67) v1(285.75,71.33) v1(285.95,89.72) v1(285.95,78.22) v1(285.95,69.42) v1(286,67.53) v1(286,59.78) v1(286,57.53) v1(286,38.97) v1(286.6,98.08) v1(286.7,95.92) v1(287,41.97) v1(287.6,35.97) v1(287.8,40.78) v1(287.9,101.58) v1(288.2,111.97) v1(288.6,114.97) v1(288.75,126.62) v1(288.75,124.33) v1(288.95,59.83) v1(288.95,57.58) v1(289,67.38) v1(289.45,23.97) v1(289.45,22.22) v1(289.4,14.72) v1(290,37.78) v1(290.1,110.38) v1(290.3,69.38) v1(290.7,95.88) v1(290.8,98.28) v1(290.8,89.67) v1(290.8,79.08) v1(290.75,76.58) v1(290.85,81.03) v1(291,113.28) v1(291.05,126.62) v1(291.05,124.33) v1(291.2,111.58) v1(291.4,114.97) v1(291.6,101.33) v1(291.7,22.18) v1(291.75,24.12) v1(291.8,16.93) v1(291.75,14.68) v1(292.4,37.78) v1(293,40.78) v1(294.3,17.18) v1(296.6,37.18) v1(296.55,17.18) v1(296.8,40.78) v1(308,104.17) v1(308,98.12) v1(308,40.78) v1(308,37.18) v1(308.05,126.47) v1(308.05,124.22) v1(308.05,100.03) v1(308.05,95.67) v1(308.05,78.88) v1(308.05,76.62) v1(308.05,59.83) v1(308.05,57.58) v1(310.3,124.22) v1(310.3,113.08) v1(310.35,126.47) v1(310.4,40.78) v1(311.5,104.78) v1(311.8,99.97) v1(311.8,95.67) v1(311.8,78.88) v1(311.8,76.62) v1(311.9,98.12) v1(311.85,59.88) v1(311.85,57.53) v1(312,34.97) v1(312.3,37.07) v1(312.95,16.97) v1(312.9,14.72) v1(314.15,38.53) v1(314.2,40.88) v1(315.25,14.68) v1(315.3,17.38) v1(327.75,126.47) v1(327.75,124.22) v1(329.1,117.28) v1(329.2,83.83) v1(329.2,81.47) v1(330.05,126.47) v1(330.05,124.22) v1(331.45,83.78) v1(331.55,81.53) v1(331.9,114.47) v1(332.15,59.78) v1(332.15,57.53) v1(332.15,40.72) v1(332.15,38.47) v1(332.25,99.92) v1(332.25,98.22) v1(332.3,112.38) v1(332.3,95.58) v1(334.45,57.58) v1(334.5,95.62) v1(334.5,59.83) v1(334.5,40.72) v1(334.5,38.47) v1(334.6,114.47) v1(334.6,112.38) v1(334.55,99.92) v1(334.65,98.28) v1(337.2,21.32) v1(338.9,22.97) v1(338.9,19.62) v1(339.15,10.07) v1(341.45,20.43) v1(343.35,21.82) v1(350.4,126.47) v1(350.4,124.22) v1(350.4,114.47) v1(350.4,111.78) v1(350.4,99.97) v1(350.35,98.17) v1(350.4,95.67) v1(350.35,89.88) v1(350.4,78.92) v1(350.35,76.58) v1(350.35,59.83) v1(350.35,57.53) v1(350.35,40.72) v1(350.35,38.47) v1(350.4,24.18) v1(351.55,15.57) v1(352.65,124.22) v1(352.65,99.92) v1(352.65,95.62) v1(352.65,76.62) v1(352.65,57.53) v1(352.7,126.47) v1(352.7,113.38) v1(352.7,111.78) v1(352.7,98.17) v1(352.7,90.42) v1(352.7,78.83) v1(352.7,59.83) v1(352.7,40.72) v1(352.7,38.47) v1(352.7,24.03) v1(352.75,19.22) v1(353.9,16.07) v1(369.4,131.38) v1(369.4,129.18) v1(369.4,113.38) v1(369.4,111.78) v1(369.35,100.08) v1(369.4,98.22) v1(369.4,95.62) v1(369.4,62.88) v1(369.4,59.58) v1(369.4,51.83) v1(369.45,40.72) v1(369.45,38.53) v1(371.7,131.47) v1(371.7,129.07) v1(371.7,61.88) v1(371.7,38.53) v1(371.7,33.07) v1(371.7,26.22) v1(371.8,100.03) v1(371.8,98.22) v1(371.8,95.58) v1(371.75,65.08) v1(371.75,58.28) v1(371.8,52.62) v1(371.75,40.72) v1(373.2,54.53) v1(388.35,100.12) v1(388.4,98.38) v1(390.85,98.38) v2(192.5,146.07) v2(204.9,114.17) v2(227.7,123.58) v2(229.4,114.97) v2(229.5,126.47) v2(229.5,123.58) v2(231.3,123.17) v2(231.3,114.97) v2(233.2,104.97) v2(235.8,123.17) v2(239.2,122.97) v2(276.1,106.88) v2(277.6,111.17) v2(277.6,105.88) v2(277.7,103.38) v2(279.6,111.47) v2(279.8,105.38) v2(279.8,103.38) v2(280.4,106.78)
